# KiCad board Bread70.kicad_pcb (continued)
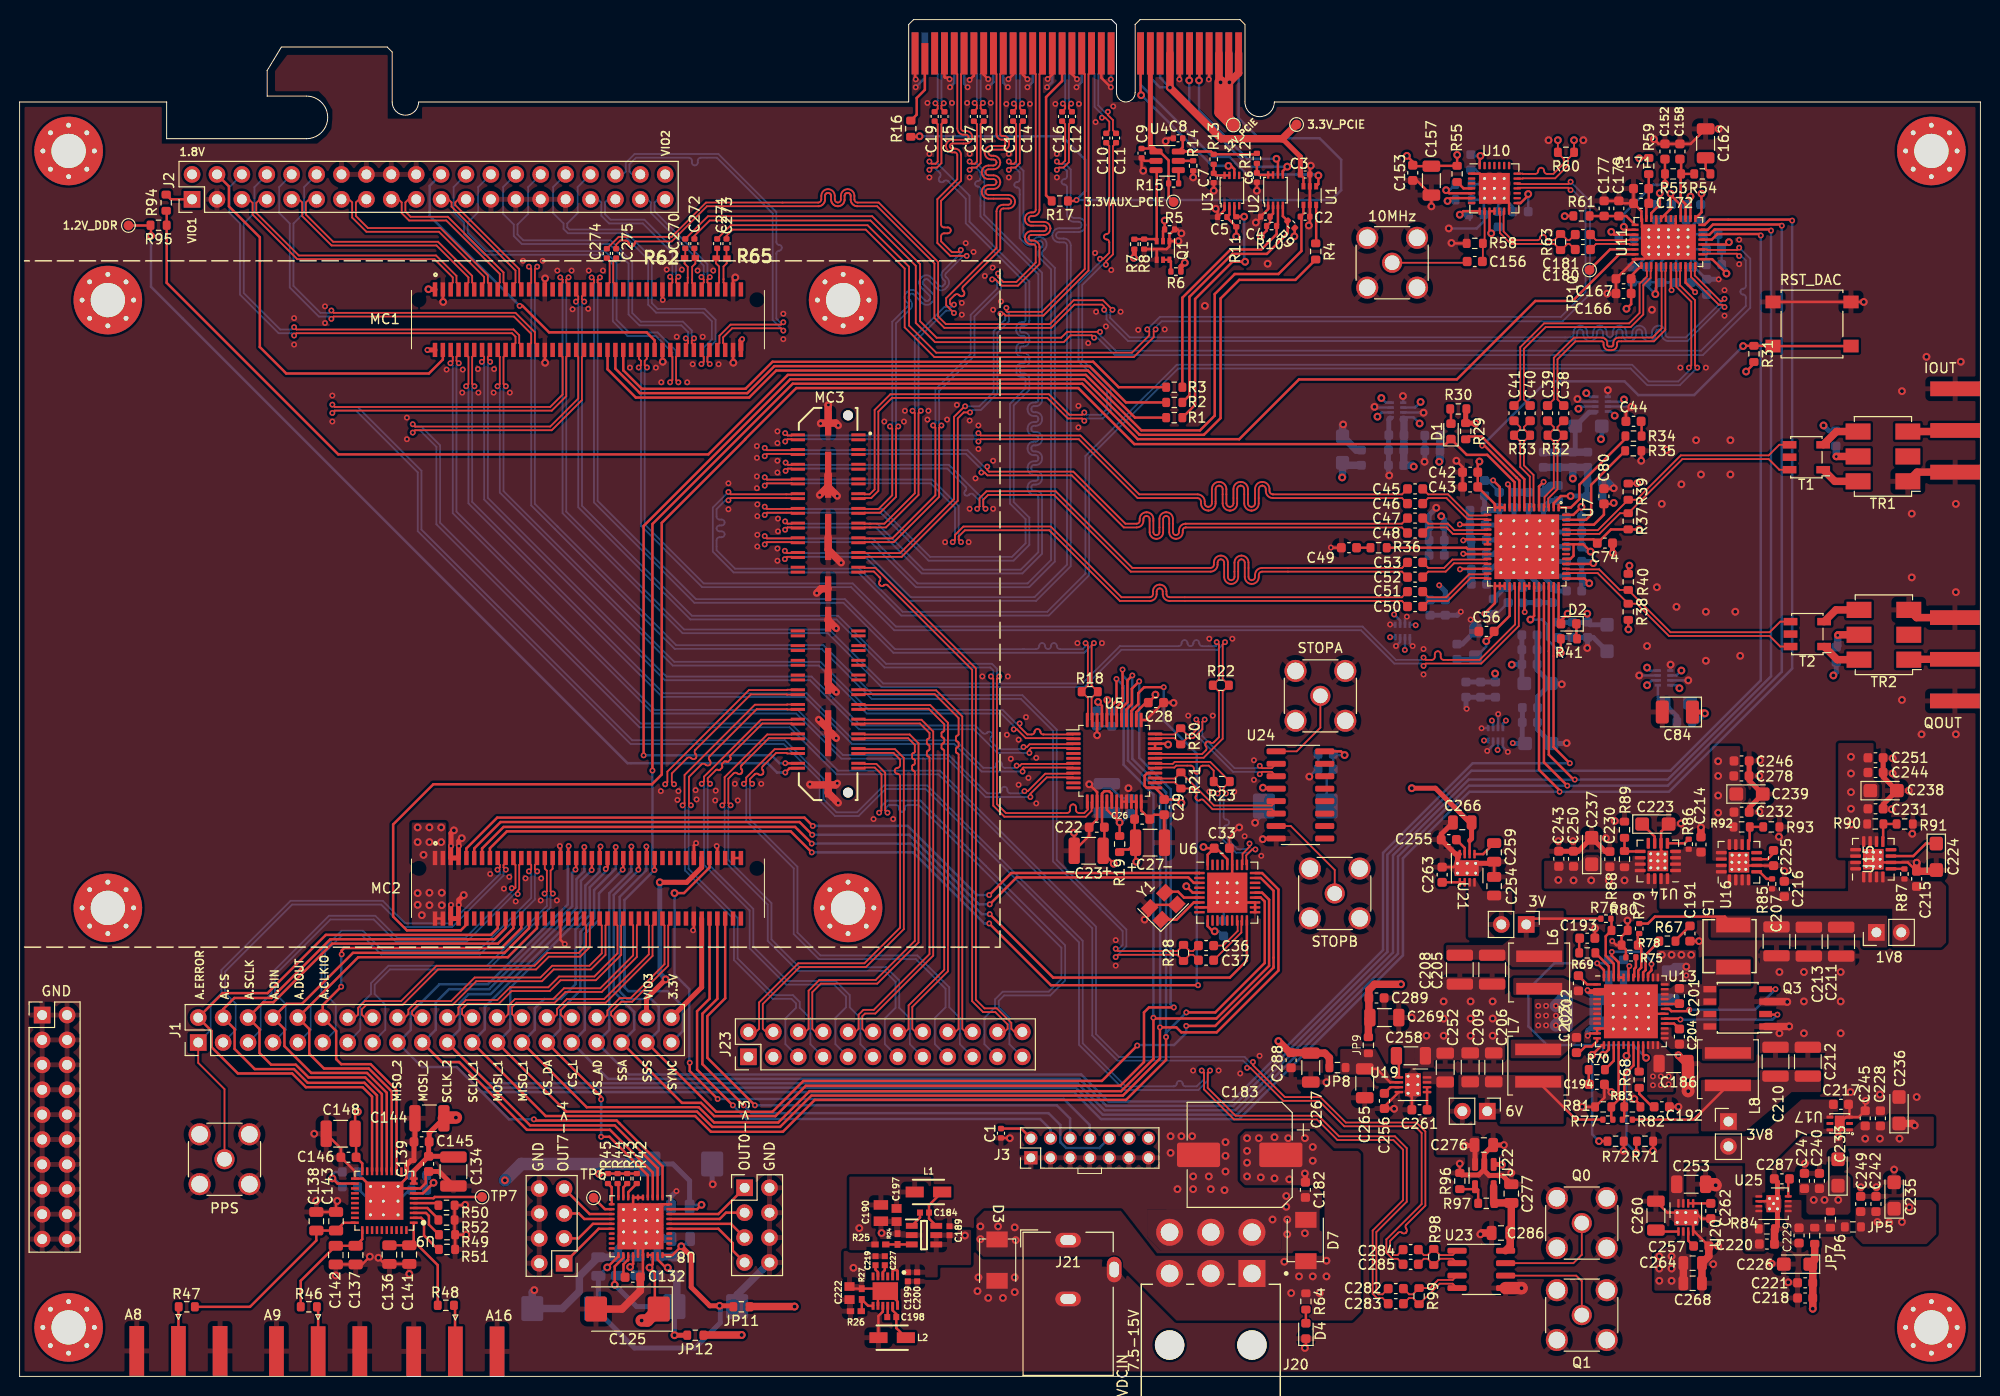
[diagram p0: board, top side]
## Routing (per net, layer and track width the routed paths; a pad name or vN(x,y) marks a point on that pad's centre or on a via; arc(x,y) is an arc through that point) (continued)
224_MGTTX0_N: length 79.9
  Top w0.186: C46.1 141.01,89.59 127.84,89.59 arc(127.32,89.8) 127.11,90.32 127.11,90.51 arc(127.01,90.76) 126.76,90.86 126.74,90.86 arc(126.49,90.76) 126.39,90.51 126.39,89.05 arc(126.18,88.53) 125.66,88.32 125.64,88.32 arc(125.12,88.53) 124.91,89.05 124.91,90.51 arc(124.81,90.76) 124.56,90.87 124.54,90.87 arc(124.29,90.76) 124.19,90.51 124.19,89.05 arc(123.98,88.53) 123.46,88.32 123.44,88.32 arc(122.92,88.53) 122.71,89.05 122.71,90.51 arc(122.61,90.76) 122.36,90.87 122.34,90.87 arc(122.09,90.76) 121.99,90.51 121.99,89.05 arc(121.78,88.53) 121.26,88.32 121.23,88.32 arc(120.72,88.53) 120.5,89.05 120.5,89.24 arc(120.4,89.49) 120.15,89.59 114.04,89.59 108.03,95.6 98.03,95.6 v1(97.8,95.36) ; J7.04 78.8,95.54 78.74,95.6 78.32,95.6 v1(78.09,95.36)
  Bottom w0.186: v1(78.09,95.36) 78.32,95.6 97.56,95.6 v1(97.8,95.36)
224_MGTTX0_P: length 79.9
  Top w0.186: J7.02 78.8,96.04 78.74,95.98 78.32,95.98 v1(78.09,96.21) ; v1(97.8,96.21) 98.03,95.98 108.19,95.98 114.2,89.97 120.15,89.97 arc(120.67,89.76) 120.88,89.24 120.88,89.05 arc(120.98,88.8) 121.23,88.7 121.26,88.7 arc(121.51,88.8) 121.61,89.05 121.61,90.51 arc(121.82,91.03) 122.34,91.25 122.36,91.25 arc(122.88,91.03) 123.09,90.51 123.09,89.05 arc(123.19,88.8) 123.44,88.7 123.46,88.7 arc(123.71,88.8) 123.81,89.05 123.81,90.51 arc(124.02,91.03) 124.54,91.25 124.56,91.25 arc(125.08,91.03) 125.29,90.51 125.29,89.05 arc(125.39,88.8) 125.64,88.7 125.66,88.7 arc(125.91,88.8) 126.01,89.05 126.01,90.51 arc(126.22,91.03) 126.74,91.24 126.76,91.24 arc(127.28,91.03) 127.49,90.51 127.49,90.32 arc(127.59,90.07) 127.84,89.97 141.01,89.97 C45.1
  Bottom w0.186: v1(97.8,96.21) 97.56,95.98 78.32,95.98 v1(78.09,96.21)
224_MGTTX1_N: length 79.9
  Top w0.186: C48.1 141,86.6 118.94,86.6 arc(118.73,86.51) 118.64,86.3 118.64,86.11 arc(118.44,85.64) 117.96,85.44 117.94,85.44 arc(117.46,85.64) 117.26,86.11 117.26,87.47 arc(117.17,87.68) 116.96,87.77 116.94,87.77 arc(116.73,87.68) 116.64,87.47 116.64,86.11 arc(116.44,85.63) 115.96,85.43 115.94,85.43 arc(115.46,85.63) 115.26,86.11 115.26,87.47 arc(115.17,87.68) 114.96,87.76 114.92,87.76 arc(114.71,87.68) 114.63,87.47 114.63,87.28 arc(114.43,86.8) 113.95,86.6 112.63,86.6 107.32,91.91 98.72,91.91 98.43,92.2 v1(98.1,92.2)
  Top w0.187: v1(76,93.86) 76.23,94.1 78.75,94.1 78.8,94.04 J7.08
  Bottom w0.186: v1(76,93.86) 76.23,94.1 96.53,94.1 98.1,92.53 v1(98.1,92.2)
224_MGTTX1_P: length 79.9
  Top w0.186: v1(98.7,92.8) 98.7,92.47 98.88,92.29 107.48,92.29 112.79,86.98 113.95,86.98 arc(114.16,87.07) 114.25,87.28 114.25,87.47 arc(114.44,87.95) 114.92,88.14 114.96,88.14 arc(115.44,87.95) 115.64,87.47 115.64,86.11 arc(115.73,85.9) 115.94,85.81 115.96,85.81 arc(116.17,85.9) 116.26,86.11 116.26,87.47 arc(116.46,87.95) 116.94,88.15 116.96,88.15 arc(117.44,87.95) 117.64,87.47 117.64,86.11 arc(117.73,85.9) 117.94,85.82 117.96,85.82 arc(118.17,85.9) 118.26,86.11 118.26,86.3 arc(118.46,86.78) 118.94,86.98 141,86.98 C47.1
  Top w0.187: J7.06 78.8,94.54 78.75,94.48 76.23,94.48 v1(76,94.71)
  Bottom w0.186: v1(76,94.71) 76.23,94.48 96.69,94.48 98.37,92.8 v1(98.7,92.8)
224_MGTTX2_N: length 81.5
  Top w0.186: 141.01,82.47 126.73,82.47 arc(126.22,82.26) 126.01,81.76 126.01,81.55 arc(125.92,81.31) 125.68,81.21 arc(125.44,81.31) 125.34,81.55 125.34,83.01 arc(125.14,83.52) 124.63,83.73 arc(124.12,83.52) 123.91,83.01 123.91,81.55 arc(123.82,81.31) 123.58,81.21 arc(123.34,81.31) 123.25,81.55 123.25,83.01 arc(123.04,83.52) 122.53,83.73 arc(122.02,83.52) 121.81,83.01 121.81,82.81 arc(121.72,82.57) 121.48,82.47 113.5,82.47 105.68,90.29 98.62,90.29 97.91,89.58 97.91,88.73 v1(97.68,88.5) ; 141.01,82.47 C53.1 141.01,82.47
  Top w0.187: J7.12 78.8,92.54 78.75,92.6 78.36,92.6 v1(78.13,92.36)
  Bottom w0.186: v1(78.13,92.36) 78.36,92.6 94.63,92.6 96.49,90.74 arc(96.57,90.55) 96.49,90.35 96.43,90.3 arc(96.35,90.1) 96.43,89.91 arc(96.62,89.83) 96.82,89.91 96.88,89.97 arc(97.07,90.05) 97.27,89.97 97.91,89.32 97.91,88.73 v1(97.68,88.5)
224_MGTTX2_P: length 79.9
  Top w0.186: C52.1 141.01,82.09 126.73,82.09 arc(126.49,81.99) 126.4,81.76 126.4,81.55 arc(126.19,81.04) 125.68,80.83 arc(125.17,81.04) 124.97,81.55 124.97,83.01 arc(124.87,83.25) 124.63,83.35 arc(124.39,83.25) 124.29,83.01 124.29,81.55 arc(124.09,81.04) 123.58,80.83 arc(123.07,81.04) 122.87,81.55 122.87,83.01 arc(122.77,83.25) 122.53,83.35 arc(122.29,83.25) 122.19,83.01 122.19,82.81 arc(121.99,82.3) 121.48,82.09 113.34,82.09 105.52,89.91 98.78,89.91 98.29,89.42 98.29,88.73 v1(98.53,88.5)
  Top w0.187: v1(78.13,93.21) 78.36,92.98 78.75,92.98 78.8,93.04 J7.10
  Bottom w0.186: v1(98.53,88.5) 98.29,88.73 98.29,89.48 94.79,92.98 78.36,92.98 v1(78.13,93.21)
224_MGTTX3_N: length 79.9
  Top w0.186: v1(95.18,85.1) 95.41,85.33 95.41,85.83 96.26,86.69 105.18,86.69 112.39,79.48 115.29,79.48 arc(115.51,79.57) 115.6,79.79 115.6,80.08 arc(115.8,80.56) 116.29,80.77 arc(116.78,80.56) 116.98,80.08 116.98,79.79 arc(117.07,79.57) 117.29,79.48 141,79.48 C51.1
  Top w0.187: v1(76,90.86) 76.23,91.1 78.75,91.1 78.8,91.04 J7.16
  Bottom w0.186: v1(76,90.86) 76.23,91.1 92.93,91.1 95.41,88.62 95.41,85.33 v1(95.18,85.1)
224_MGTTX3_P: length 79.9
  Top w0.186: v1(96.03,85.1) 95.79,85.33 95.79,85.68 96.42,86.31 105.02,86.31 112.23,79.1 115.29,79.1 arc(115.78,79.3) 115.98,79.79 115.98,80.08 arc(116.07,80.3) 116.29,80.39 arc(116.51,80.3) 116.6,80.08 116.6,79.79 arc(116.8,79.3) 117.29,79.1 141,79.1 C50.1
  Top w0.187: J7.14 78.8,91.54 78.75,91.48 76.23,91.48 v1(76,91.71)
  Bottom w0.186: v1(76,91.71) 76.23,91.48 93.09,91.48 95.79,88.78 95.79,85.33 v1(96.03,85.1)
225_MGTRX0_N: length 66.5
  Top w0.187: J8.B28 95.34,133.15 95.64,132.84 95.64,127.3 arc(95.83,126.85) 96.28,126.66 96.54,126.66 arc(96.72,126.58) 96.8,126.4 arc(96.72,126.22) 96.54,126.14 95.13,126.14 arc(94.68,125.95) 94.49,125.5 arc(94.68,125.05) 95.13,124.86 95.38,124.86 arc(95.57,124.78) 95.64,124.6 95.64,122.11 93.61,120.08 93.61,115.62 94.93,114.3 v1(96.6,114.3) ; J7.23 86.13,88.04 86.19,88.1 87.77,88.1 89.39,89.72 89.39,96.67 v1(89.62,96.9)
  Bottom w0.187: v1(96.6,114.3) 96.27,114.3 94.49,112.51 arc(94.41,112.34) 94.49,112.17 94.62,112.03 arc(94.81,111.58) 94.62,111.14 94.45,110.97 arc(94.01,110.79) 93.56,110.97 92.67,111.87 arc(92.49,111.94) 92.31,111.87 92.2,111.76 arc(92.12,111.58) 92.2,111.4 93.1,110.5 arc(93.29,110.04) 93.1,109.59 92.99,109.48 arc(92.54,109.3) 92.08,109.48 91.19,110.38 arc(91.01,110.45) 90.84,110.38 90.72,110.26 arc(90.64,110.08) 90.72,109.91 90.85,109.77 arc(91.04,109.33) 90.85,108.88 89.39,107.42 89.39,97.13 v1(89.62,96.9)
225_MGTRX0_P: length 66.5
  Top w0.187: J8.B27 96.34,133.15 96.03,132.84 96.03,127.3 arc(96.1,127.12) 96.28,127.04 96.54,127.04 arc(96.99,126.85) 97.18,126.4 arc(96.99,125.95) 96.54,125.76 95.13,125.76 arc(94.95,125.68) 94.87,125.5 arc(94.95,125.32) 95.13,125.24 95.38,125.24 arc(95.84,125.05) 96.03,124.6 96.03,121.96 93.99,119.92 93.99,117.5 arc(94.08,117.29) 94.29,117.2 94.68,117.2 arc(94.89,117.11) 94.98,116.9 arc(94.89,116.69) 94.68,116.6 94.29,116.6 arc(94.08,116.51) 93.99,116.3 93.99,115.78 95.09,114.68 95.78,114.68 v1(96,114.9) ; v1(88.78,96.9) 89.01,96.67 89.01,89.88 87.61,88.48 86.19,88.48 86.13,88.54 J7.21
  Bottom w0.187: v1(96,114.9) 96,114.57 94.21,112.79 arc(94.03,112.34) 94.21,111.89 94.35,111.76 arc(94.42,111.58) 94.35,111.41 94.18,111.24 arc(94.01,111.17) 93.83,111.24 92.94,112.14 arc(92.49,112.33) 92.04,112.14 91.92,112.03 arc(91.74,111.58) 91.92,111.13 92.83,110.22 arc(92.9,110.04) 92.83,109.86 92.72,109.75 arc(92.54,109.68) 92.36,109.75 91.46,110.65 arc(91.01,110.83) 90.57,110.65 90.45,110.53 arc(90.26,110.08) 90.45,109.64 90.58,109.5 arc(90.65,109.33) 90.58,109.15 89.01,107.58 89.01,97.13 v1(88.78,96.9)
225_MGTRX1_N: length 67.7
  Top w0.187: J7.27 86.13,86.54 86.19,86.6 86.8,86.6 ; 86.71,86.6 88.37,86.6 91.69,89.92 91.69,98.27 v1(91.93,98.5) ; v1(95.3,108.47) 94.51,109.27 94.51,109.98 99.64,115.11 99.64,118.83 arc(99.85,119.31) 100.34,119.52 100.84,119.52 arc(101.06,119.61) 101.15,119.83 arc(101.06,120.04) 100.84,120.13 98.83,120.13 arc(98.34,120.34) 98.14,120.83 arc(98.34,121.31) 98.83,121.52 99.34,121.52 arc(99.55,121.61) 99.64,121.83 arc(99.55,122.04) 99.34,122.13 98.83,122.13 arc(98.34,122.34) 98.14,122.83 arc(98.34,123.31) 98.83,123.52 99.34,123.52 arc(99.55,123.61) 99.64,123.83 arc(99.55,124.04) 99.34,124.13 99.13,124.13 arc(98.64,124.34) 98.44,124.83 arc(98.64,125.31) 99.13,125.52 100.38,125.52 arc(100.49,125.56) 100.53,125.67 100.53,126 arc(100.49,126.11) 100.38,126.16 100.18,126.16 arc(99.8,126.32) 99.64,126.7 99.64,132.84 99.34,133.15 J8.B24
  Bottom w0.187: v1(91.93,98.5) 91.69,98.73 91.69,105.92 94.48,108.71 95.07,108.71 v1(95.3,108.47)
225_MGTRX1_P: length 67.7
  Top w0.187: J7.25 86.13,87.04 86.19,86.98 86.8,86.98 ; v1(91.07,98.5) 91.31,98.27 91.31,90.08 88.21,86.98 86.71,86.98 ; J8.B23 100.34,133.15 100.03,132.84 100.03,126.7 arc(100.07,126.59) 100.18,126.54 100.38,126.54 arc(100.76,126.38) 100.92,126 100.92,125.67 arc(100.76,125.29) 100.38,125.13 99.13,125.13 arc(98.91,125.04) 98.82,124.83 arc(98.91,124.61) 99.13,124.52 99.34,124.52 arc(99.82,124.31) 100.03,123.83 arc(99.82,123.34) 99.34,123.13 98.83,123.13 arc(98.61,123.04) 98.52,122.83 arc(98.61,122.61) 98.83,122.52 99.34,122.52 arc(99.82,122.31) 100.03,121.83 arc(99.82,121.34) 99.34,121.13 98.83,121.13 arc(98.61,121.04) 98.52,120.83 arc(98.61,120.61) 98.83,120.52 100.84,120.52 arc(101.33,120.31) 101.53,119.83 arc(101.33,119.34) 100.84,119.13 100.34,119.13 arc(100.12,119.04) 100.03,118.83 100.03,114.96 96.24,111.16 arc(96.15,110.95) 96.24,110.74 96.29,110.69 arc(96.37,110.48) 96.29,110.27 arc(96.07,110.18) 95.86,110.27 95.81,110.32 arc(95.6,110.4) 95.39,110.32 94.89,109.82 94.89,109.43 94.99,109.33 v1(95.3,109.33)
  Bottom w0.187: v1(91.07,98.5) 91.31,98.73 91.31,106.08 94.32,109.09 95.07,109.09 v1(95.3,109.33)
225_MGTRX2_N: length 67.6
  Top w0.187: v1(99.8,112.5) 99.8,112.17 100.33,111.64 101.67,111.64 103.64,113.61 103.64,115.22 arc(103.57,115.41) 103.38,115.48 103.18,115.48 arc(102.72,115.67) 102.53,116.13 102.53,116.17 arc(102.72,116.63) 103.18,116.82 104.49,116.82 arc(104.68,116.9) 104.76,117.09 104.76,117.11 arc(104.68,117.3) 104.49,117.38 103.18,117.38 arc(102.72,117.57) 102.53,118.03 102.53,118.08 arc(102.72,118.54) 103.18,118.73 103.38,118.73 arc(103.57,118.81) 103.64,119 103.64,132.84 103.34,133.15 J8.B20 ; 86.71,85.1 89.17,85.1 93.79,89.72 93.79,96.77 v1(94.03,97) ; 86.7,85.1 86.19,85.1 86.13,85.04 J7.31
  Bottom w0.187: v1(94.03,97) 93.79,97.23 93.79,100.52 97.39,104.12 97.39,108.12 100.09,110.82 100.09,111.88 99.8,112.17 v1(99.8,112.5)
225_MGTRX2_P: length 67.6
  Top w0.187: J8.B19 104.34,133.15 104.03,132.84 104.03,119 arc(103.84,118.54) 103.38,118.35 103.18,118.35 arc(103,118.27) 102.92,118.08 102.92,118.03 arc(103,117.84) 103.18,117.77 104.49,117.77 arc(104.95,117.58) 105.14,117.11 105.14,117.09 arc(104.95,116.62) 104.49,116.43 103.18,116.43 arc(103,116.36) 102.92,116.17 102.92,116.13 arc(103,115.94) 103.18,115.87 103.38,115.87 arc(103.84,115.68) 104.03,115.22 104.03,113.46 101.83,111.26 100.17,111.26 99.53,111.9 v1(99.2,111.9) ; 86.7,85.48 86.19,85.48 86.13,85.54 J7.29 ; v1(93.18,97) 93.41,96.77 93.41,89.88 89.01,85.48 86.71,85.48
  Bottom w0.187: v1(93.18,97) 93.41,97.23 93.41,100.68 97.01,104.28 97.01,108.28 99.71,110.98 99.71,111.72 99.53,111.9 v1(99.2,111.9)
225_MGTRX3_N: length 67.6
  Top w0.187: 86.71,83.6 89.97,83.6 95.69,89.32 95.69,97.72 96.3,98.33 v1(96.94,98.33) ; J7.35 86.13,83.54 86.19,83.6 86.7,83.6 ; v1(100.65,109) 100.65,108.67 100.73,108.59 104.27,108.59 108.64,112.96 108.64,132.84 108.34,133.15 J8.B15
  Bottom w0.187: v1(96.94,98.33) 97.18,98.57 98.04,98.57 99.73,100.26 99.73,106.45 100.91,107.63 100.91,108.41 100.65,108.67 v1(100.65,109)
225_MGTRX3_P: length 67.6
  Top w0.187: 86.71,83.98 89.81,83.98 95.31,89.48 95.31,97.88 96.39,98.96 v1(96.45,98.96) ; J8.B14 109.34,133.15 109.03,132.84 109.03,112.81 104.43,108.21 100.57,108.21 100.38,108.4 v1(100.05,108.4) ; 86.7,83.98 86.19,83.98 86.13,84.04 J7.33
  Bottom w0.187: v1(96.45,98.96) 97.89,98.96 99.35,100.42 99.35,106.61 100.53,107.79 100.53,108.25 100.38,108.4 v1(100.05,108.4)
225_MGTTX0_N: length 87.3
  Top w0.184: 78.26,88.1 78.74,88.1 78.8,88.04 J7.24
  Top w0.187: C19.2 93.64,127.73 93.64,123.91 93.42,123.69 93.03,123.69 v1(92.8,123.92) ; 78.23,88.1 76.23,88.1 v1(76,87.86)
  Bottom w0.187: v1(92.8,123.92) 93.01,123.72 93.62,123.72 96.89,120.45 96.89,117.78 102.99,111.68 102.99,107.73 arc(102.83,107.33) 102.43,107.16 102.23,107.16 arc(102.11,107.11) 102.05,106.98 102.05,106.68 arc(102.11,106.55) 102.23,106.5 102.43,106.5 arc(102.83,106.33) 102.99,105.93 102.99,105.63 arc(102.83,105.23) 102.43,105.06 102.23,105.06 arc(102.11,105.01) 102.05,104.88 102.05,104.58 arc(102.11,104.45) 102.23,104.4 102.43,104.4 arc(102.83,104.23) 102.99,103.83 102.99,103.53 arc(102.83,103.13) 102.43,102.96 102.23,102.96 arc(102.11,102.91) 102.05,102.78 102.05,102.48 arc(102.11,102.35) 102.23,102.3 102.43,102.3 arc(102.83,102.13) 102.99,101.73 102.99,100.63 101.4,99.04 101.4,89.19 102.99,87.6 102.99,84.82 101.38,83.21 92.72,83.21 87.83,88.1 76.23,88.1 v1(76,87.86)
225_MGTTX0_P: length 87.3
  Top w0.184: J7.22 78.8,88.54 78.74,88.48 78.26,88.48
  Top w0.187: C15.2 94.03,127.73 94.03,123.76 93.58,123.31 93.03,123.31 v1(92.8,123.08) ; 78.23,88.48 76.23,88.48 v1(76,88.71)
  Bottom w0.187: v1(92.8,123.08) 93.01,123.28 93.35,123.28 93.86,122.76 arc(93.95,122.55) 93.86,122.34 93.84,122.32 arc(93.75,122.1) 93.84,121.89 arc(94.05,121.8) 94.26,121.89 94.29,121.92 arc(94.5,122) 94.71,121.92 96.51,120.12 96.51,117.62 102.61,111.52 102.61,107.73 arc(102.56,107.6) 102.43,107.55 102.23,107.55 arc(101.83,107.38) 101.67,106.98 101.67,106.68 arc(101.83,106.28) 102.23,106.11 102.43,106.11 arc(102.56,106.06) 102.61,105.93 102.61,105.63 arc(102.56,105.5) 102.43,105.45 102.23,105.45 arc(101.83,105.28) 101.67,104.88 101.67,104.58 arc(101.83,104.18) 102.23,104.01 102.43,104.01 arc(102.56,103.96) 102.61,103.83 102.61,103.53 arc(102.56,103.4) 102.43,103.35 102.23,103.35 arc(101.83,103.18) 101.67,102.78 101.67,102.48 arc(101.83,102.08) 102.23,101.91 102.43,101.91 arc(102.56,101.86) 102.61,101.73 102.61,100.79 101.02,99.2 101.02,89.03 102.61,87.44 102.61,84.98 101.22,83.59 92.88,83.59 87.99,88.48 76.23,88.48 v1(76,88.71)
225_MGTTX1_N: length 86.1
  Top w0.187: v1(96.9,123.92) 97.13,123.69 97.42,123.69 97.64,123.91 97.64,127.73 C17.2 ; J7.28 78.8,86.54 78.75,86.6 78.32,86.6 v1(78.08,86.36)
  Bottom w0.187: v1(96.9,123.92) 97.13,123.69 97.68,123.69 98.39,122.98 98.39,118.48 104.29,112.58 104.29,99.61 arc(104.1,99.16) 103.65,98.97 103.46,98.97 arc(103.27,98.89) 103.2,98.71 103.2,98.61 arc(103.27,98.43) 103.46,98.35 103.65,98.35 arc(104.1,98.16) 104.29,97.71 104.29,97.61 arc(104.1,97.16) 103.65,96.97 103.46,96.97 arc(103.27,96.89) 103.2,96.71 103.2,96.61 arc(103.27,96.43) 103.46,96.35 103.65,96.35 arc(104.1,96.16) 104.29,95.71 104.29,95.61 arc(104.1,95.16) 103.65,94.97 103.46,94.97 arc(103.27,94.89) 103.2,94.71 103.2,94.61 arc(103.27,94.43) 103.46,94.35 103.65,94.35 arc(104.1,94.16) 104.29,93.71 104.29,93.61 arc(104.1,93.16) 103.65,92.97 103.46,92.97 arc(103.27,92.89) 103.2,92.71 103.2,92.61 arc(103.27,92.43) 103.46,92.35 103.65,92.35 arc(104.1,92.16) 104.29,91.71 104.29,91.61 arc(104.1,91.16) 103.65,90.97 103.46,90.97 arc(103.27,90.89) 103.2,90.71 103.2,90.61 arc(103.27,90.43) 103.46,90.35 103.65,90.35 arc(104.1,90.16) 104.29,89.71 104.29,83.92 102.28,81.91 92.02,81.91 87.33,86.6 78.32,86.6 v1(78.08,86.36)
225_MGTTX1_P: length 86.1
  Top w0.187: J7.26 78.8,87.04 78.75,86.98 78.32,86.98 v1(78.08,87.21) ; C13.2 98.03,127.73 98.03,123.76 97.58,123.31 97.13,123.31 v1(96.9,123.08)
  Bottom w0.187: v1(96.9,123.08) 97.13,123.31 97.52,123.31 98.01,122.82 98.01,122.2 arc(97.93,122.01) 97.73,121.92 97.73,121.92 arc(97.54,121.84) 97.46,121.65 arc(97.54,121.46) 97.73,121.38 97.73,121.38 arc(97.93,121.29) 98.01,121.1 98.01,118.32 103.91,112.42 103.91,99.61 arc(103.83,99.43) 103.65,99.35 103.46,99.35 arc(103,99.16) 102.82,98.71 102.82,98.61 arc(103,98.16) 103.46,97.97 103.65,97.97 arc(103.83,97.89) 103.91,97.71 103.91,97.61 arc(103.83,97.43) 103.65,97.35 103.46,97.35 arc(103,97.16) 102.82,96.71 102.82,96.61 arc(103,96.16) 103.46,95.97 103.65,95.97 arc(103.83,95.89) 103.91,95.71 103.91,95.61 arc(103.83,95.43) 103.65,95.35 103.46,95.35 arc(103,95.16) 102.82,94.71 102.82,94.61 arc(103,94.16) 103.46,93.97 103.65,93.97 arc(103.83,93.89) 103.91,93.71 103.91,93.61 arc(103.83,93.43) 103.65,93.35 103.46,93.35 arc(103,93.16) 102.82,92.71 102.82,92.61 arc(103,92.16) 103.46,91.97 103.65,91.97 arc(103.83,91.89) 103.91,91.71 103.91,91.61 arc(103.83,91.43) 103.65,91.35 103.46,91.35 arc(103,91.16) 102.82,90.71 102.82,90.61 arc(103,90.16) 103.46,89.97 103.65,89.97 arc(103.83,89.89) 103.91,89.71 103.91,84.08 102.12,82.29 92.18,82.29 87.49,86.98 78.32,86.98 v1(78.08,87.21)
225_MGTTX2_N: length 86.1
  Top w0.187: v1(100.9,123.92) 101.13,123.69 101.42,123.69 101.64,123.91 101.64,127.73 C18.2 ; J7.32 78.8,85.04 78.75,85.1 76.23,85.1 v1(76,84.86)
  Bottom w0.187: v1(76,84.86) 76.23,85.1 86.83,85.1 91.42,80.51 102.98,80.51 105.59,83.12 105.59,113.08 104.38,114.29 arc(104.28,114.54) 104.38,114.8 104.54,114.96 arc(104.76,115.48) 104.54,116 arc(104.02,116.22) 103.49,116 103.33,115.85 arc(103.08,115.74) 102.83,115.85 102.39,116.28 102.39,122.98 101.68,123.69 101.13,123.69 v1(100.9,123.92)
225_MGTTX2_P: length 86.1
  Top w0.187: v1(76,85.71) 76.23,85.48 78.75,85.48 78.8,85.54 J7.30 ; v1(100.9,123.08) 101.13,123.31 101.58,123.31 102.03,123.76 102.03,127.73 C14.2
  Bottom w0.187: v1(100.9,123.08) 101.13,123.31 101.52,123.31 102.01,122.82 102.01,122.1 arc(101.93,121.91) 101.73,121.83 101.73,121.83 arc(101.54,121.74) 101.46,121.55 arc(101.54,121.36) 101.73,121.28 101.73,121.28 arc(101.93,121.19) 102.01,121 102.01,116.12 102.55,115.57 arc(103.08,115.36) 103.6,115.57 103.76,115.73 arc(104.02,115.84) 104.27,115.73 arc(104.37,115.48) 104.27,115.23 104.11,115.07 arc(103.89,114.54) 104.11,114.02 105.21,112.92 105.21,83.28 102.82,80.89 91.58,80.89 86.99,85.48 76.23,85.48 v1(76,85.71)
225_MGTTX3_N: length 86.1
  Top w0.187: J7.36 78.8,83.54 78.75,83.6 78.28,83.6 v1(78.05,83.36) ; v1(105.8,123.92) 106.03,123.69 106.32,123.69 106.64,124.01 106.64,127.73 C16.2
  Bottom w0.187: v1(105.8,123.92) 106.03,123.69 106.63,123.69 107.22,123.1 107.22,118.5 arc(107.31,118.26) 107.55,118.17 108,118.17 arc(108.51,117.96) 108.72,117.45 arc(108.51,116.94) 108,116.73 106.05,116.73 arc(105.81,116.64) 105.72,116.4 arc(105.81,116.16) 106.05,116.07 106.5,116.07 arc(107.01,115.86) 107.22,115.35 107.22,82.65 103.68,79.11 90.72,79.11 86.23,83.6 78.28,83.6 v1(78.05,83.36)
225_MGTTX3_P: length 86.1
  Top w0.187: v1(78.05,84.21) 78.28,83.98 78.75,83.98 78.8,84.04 J7.34 ; v1(105.8,123.08) 106.03,123.31 106.48,123.31 107.03,123.86 107.03,127.73 C12.2
  Bottom w0.187: v1(105.8,123.08) 106.03,123.31 106.47,123.31 106.83,122.95 106.83,122.4 arc(106.75,122.21) 106.56,122.12 106.56,122.12 arc(106.36,122.04) 106.28,121.85 arc(106.36,121.66) 106.56,121.58 106.56,121.58 arc(106.75,121.49) 106.83,121.3 106.83,118.5 arc(107.04,117.99) 107.55,117.78 108,117.78 arc(108.24,117.69) 108.33,117.45 arc(108.24,117.21) 108,117.12 106.05,117.12 arc(105.54,116.91) 105.33,116.4 arc(105.54,115.89) 106.05,115.68 106.5,115.68 arc(106.74,115.59) 106.83,115.35 106.83,82.8 103.52,79.49 90.88,79.49 86.39,83.98 78.28,83.98 v1(78.05,84.21)
/AD9152/IOUT+: length 26.4
  Top w0.186: U7.53 157.79,86.32 160.98,86.32 R39.1 164.92,89.42 169.44,93.95 178.4,93.95 179.48,95.03 T1.3
/AD9152/IOUT-: length 26.4
  Top w0.186: T1.5 179.48,92.49 178.4,93.57 169.6,93.57 R37.1 163.24,88.05 161.13,85.94 157.79,85.94 U7.52
/AD9152/QOUT+: length 26
  Top w0.186: U7.44 157.79,81.94 160.96,81.94 R38.1 164.94,78.82 168.23,75.53 178.5,75.53 179.58,74.45 T2.5
/AD9152/QOUT-: length 26
  Top w0.186: U7.45 157.79,82.32 161.12,82.32 163.22,80.22 R40.1 168.39,75.91 178.5,75.91 179.58,76.99 T2.3
/AD9152/REF+: length 10.1
  Top w0.184: U7.3 155.92,88.69 155.92,89.55 156.86,90.5 156.86,95.36 R32.1 156.86,96.64 156.86,96.84 C38.1
/AD9152/REF-: length 10.1
  Top w0.184: C39.1 156.49,96.84 156.49,96.64 R32.2 156.49,95.36 156.49,90.65 155.54,89.71 155.54,88.69 U7.4
/AD9152/S0_N: length 7.8
  Top w0.186: U7.16 149.67,87.44 147.69,87.44 145.54,89.59 143.68,89.59 C46.2
/AD9152/S0_P: length 7.8
  Top w0.186: C45.2 143.68,89.97 145.7,89.97 147.85,87.82 149.67,87.82 U7.15
/AD9152/S1_N: length 7.1
  Top w0.186: U7.19 149.67,85.94 146.19,85.94 145.53,86.6 143.69,86.6 C48.2
/AD9152/S1_P: length 7.1
  Top w0.186: U7.18 149.67,86.32 146.35,86.32 145.69,86.98 143.69,86.98 C47.2
/AD9152/S2_N: length 7.2
  Top w0.186: U7.24 149.67,83.32 146.15,83.32 145.3,82.47 143.68,82.47 C53.2
/AD9152/S2_P: length 7.2
  Top w0.186: U7.25 149.67,82.94 146.31,82.94 145.46,82.09 143.68,82.09 C52.2
/AD9152/S3_N: length 7.8
  Top w0.186: C51.2 143.69,79.48 145.51,79.48 147.85,81.82 149.67,81.82 U7.27
/AD9152/S3_P: length 7.8
  Top w0.186: U7.28 149.67,81.44 148.01,81.44 145.67,79.1 143.69,79.1 C50.2
/AD9152/SREF+: length 10.1
  Top w0.184: U7.6 154.42,88.69 154.42,91.95 153.44,92.93 153.44,95.36 R33.1 153.44,96.64 153.44,96.84 C40.1
/AD9152/SREF-: length 10.1
  Top w0.184: C41.1 153.06,96.84 153.06,96.64 R33.2 153.06,95.36 153.06,92.77 154.04,91.79 154.04,88.69 U7.7
/Adc_Dac/A.CLKIO: length 48.4
  Top w0.254: v1(32.85,43.05) 32.85,43.45 33.09,43.69 49.14,43.69 51.17,45.73 J4.24 ; U9.13 38.45,29.2 35.8,31.85 32.8,31.85 32.29,32.36 32.29,35.23 J1.12 30.92,37.87 v1(32.8,39.75)
  Bottom w0.254: v1(32.8,39.75) 32.8,43 v1(32.85,43.05)
/Adc_Dac/A.CS: length 62
  Top w0.254: J4.20 49.57,45.73 48.43,44.59 31.69,44.59 25.7,38.6 21.9,38.6 20.76,37.46 J1.4 21.93,35.43 21.93,33.4 23.99,31.35 27.99,31.35 29.39,29.95 35.17,29.95 36.45,28.67 U9.17
/Adc_Dac/A.DIN: length 54.7
  Top w0.254: J4.26 51.97,45.73 49.45,43.2 34,43.2 28.8,38 27.24,38 J1.8 27.01,35.43 27.01,33.69 29.75,30.95 35.43,30.95 37.45,28.93 U9.15
/Adc_Dac/A.DOUT: length 51.5
  Top w0.254: U9.14 37.95,29.07 35.61,31.4 31.05,31.4 29.55,32.9 29.55,35.43 J1.10 34.54,42.76 49.8,42.76 52.77,45.73 J4.28
/Adc_Dac/A.ERROR: length 65
  Top w0.254: U9.18 35.95,28.54 34.99,29.5 29.2,29.5 27.8,30.9 22.26,30.9 19.59,33.57 19.59,35.23 J1.2 20.72,39.1 25.3,39.1 31.24,45.04 48.08,45.04 48.77,45.73 J4.18
/Adc_Dac/A.SCLK: length 58
  Top w0.254: U9.16 36.95,28.8 35.25,30.5 29.47,30.5 28.17,31.8 25.65,31.8 24.47,32.98 24.47,35.43 J1.6 24.85,38.15 25.89,38.15 31.87,44.14 48.79,44.14 50.37,45.73 J4.22
/Adc_Dac/AIN0: length 4.8
  Top w0.254: R51.1 42.67,12.95 41.25,14.37 41.25,15.87 40.95,16.17 U9.2
/Adc_Dac/AIN1: length 4
  Top w0.254: R49.1 41.75,15.47 41.75,16.37 41.45,16.67 U9.3
/Adc_Dac/AIN2: length 3.1
  Top w0.254: 42.77,15.95 42.77,16 41.59,17.17 U9.4
/Adc_Dac/AIN3: length 2.6
  Top w0.254: U9.5 42.5,17.67 R50.1
/Adc_Dac/AIN8: length 20.5
  Top w0.25: U9.30 33.08,15.67 C143.1 C138.1
  Top w0.254: C138.1 30.27,13.87 23.5,7.1 R47.1
/Adc_Dac/AIN9: length 11.6
  Top w0.25: U9.31 34.95,13.99 C137.1 C142.1
  Top w0.254: R46.1 28.67,9.75 C142.1
/Adc_Dac/AIN16: length 12.4
  Top w0.254: U9.1 40.2,13.82 C141.1 ; C141.1 40.63,13.37 42.65,11.35 R48.1 ; C141.1 C136.1
/Adc_Dac/D.~{CLR}: length 1.5
  Top w0.254: R44.2 61.08,19.59 U8.20
/Adc_Dac/D.~{LDAC}: length 1.8
  Top w0.254: U8.18 62.08,18.79 R42.2
/Adc_Dac/D.~{RESET}: length 1.6
  Top w0.254: U8.19 61.58,19.28 R43.2
/Adc_Dac/DA_VSS: length 22.1
  Top w0.25: v2(66.11,11.09) 65.91,11.09 65.08,11.92 U8.39
  Top w0.254: U8.32 61.58,12.09 60.7,11.21 v2(60.7,9.35)
  Top w0.508: JP12.2 v2(66.8,4.2)
  Bottom w0.25: C280.1 66.27,11.09 v2(66.11,11.09)
  Bottom w0.254: C279.1 60.7,9.93 v2(60.7,9.35)
  Bottom w0.508: 66.79,4.21 C126.2 62.93,7.12 v2(60.7,9.35)
  Bottom w0.762: 66.79,4.21 v2(66.8,4.2) ; C280.1 67.04,7.37 C126.2
/Adc_Dac/OUT0: length 9.6
  Top w0.254: U8.5 71.28,15.06 72.74,13.59 72.74,12.83 J9.7
/Adc_Dac/OUT1: length 8.3
  Top w0.254: J9.5 72.55,15.56 U8.6
/Adc_Dac/OUT2: length 8
  Top w0.254: J9.3 72.05,16.7 71.41,16.06 U8.7
/Adc_Dac/OUT3: length 8.8
  Top w0.254: J9.1 71.27,16.56 U8.8
/Adc_Dac/OUT4: length 5.9
  Top w0.254: U8.23 58.14,16.56 J15.7
/Adc_Dac/OUT5: length 5.1
  Top w0.254: J15.5 57.04,16.62 57.6,16.06 U8.24
/Adc_Dac/OUT6: length 5.5
  Top w0.254: J15.3 57,14.08 58.48,15.56 U8.25
/Adc_Dac/OUT7: length 6.3
  Top w0.254: U8.26 59.06,15.06 J15.1
/Adc_Dac/REFO: length 7
  Top w0.254: U9.6 42.22,18.17 42.35,18.3 TP7.1
/Adc_Dac/TEMP: length 2.3
  Top w0.254: U8.22 59.7,17.06 TP6.1
/Adc_Dac/~{ALMOUT}: length 2.3
  Top w0.254: R45.2 60.39,19.29 U8.21
/Clocks/CLK_5V: length 123.3
  Top w0.254: R61.1 157.62,118.37 v2(157.6,118.35) ; R59.1 165.24,124.29 v2(165.2,124.25)
  Top w0.762: v2(140.9,40) 138.2,40 137.62,39.42 C289.1 137.62,36.7 C269.1 137.57,36.45 JP9.2
  In2.Cu w2.032: v2(165.2,124.25) 159.3,118.35 v2(157.6,118.35) 157.6,110.95 148.45,101.8 136.5,101.8 132.5,97.8 132.5,90.5 145.4,77.6 145.4,56.9 144,55.5 144,43.1 v2(140.9,40)
/Clocks/CLKCHIP_N: length 11.2
  Top w0.182: C181.1 158.65,116.47 158.08,115.9 157.89,115.9 157.25,116.54 R63.1 156.54,115.9 155.97,115.9 arc(155.78,115.98) 155.7,116.17 arc(155.62,116.37) 155.43,116.45 155.37,116.45 arc(155.18,116.37) 155.1,116.17 arc(155.02,115.98) 154.82,115.9 152.26,115.9 151.37,116.79 151.37,118.8 U10.13